# Altium PCB PCB1.PcbDoc (part 3 of 3)
Units mil, origin at the board's own origin, x right, y up, seen from the top; angles counter-clockwise.
Board outline 3937.01 x 2755.91 mil, 2 copper layers (Top Layer, Bottom Layer); 150 components, 153 nets, 622 pads, 556 vias.
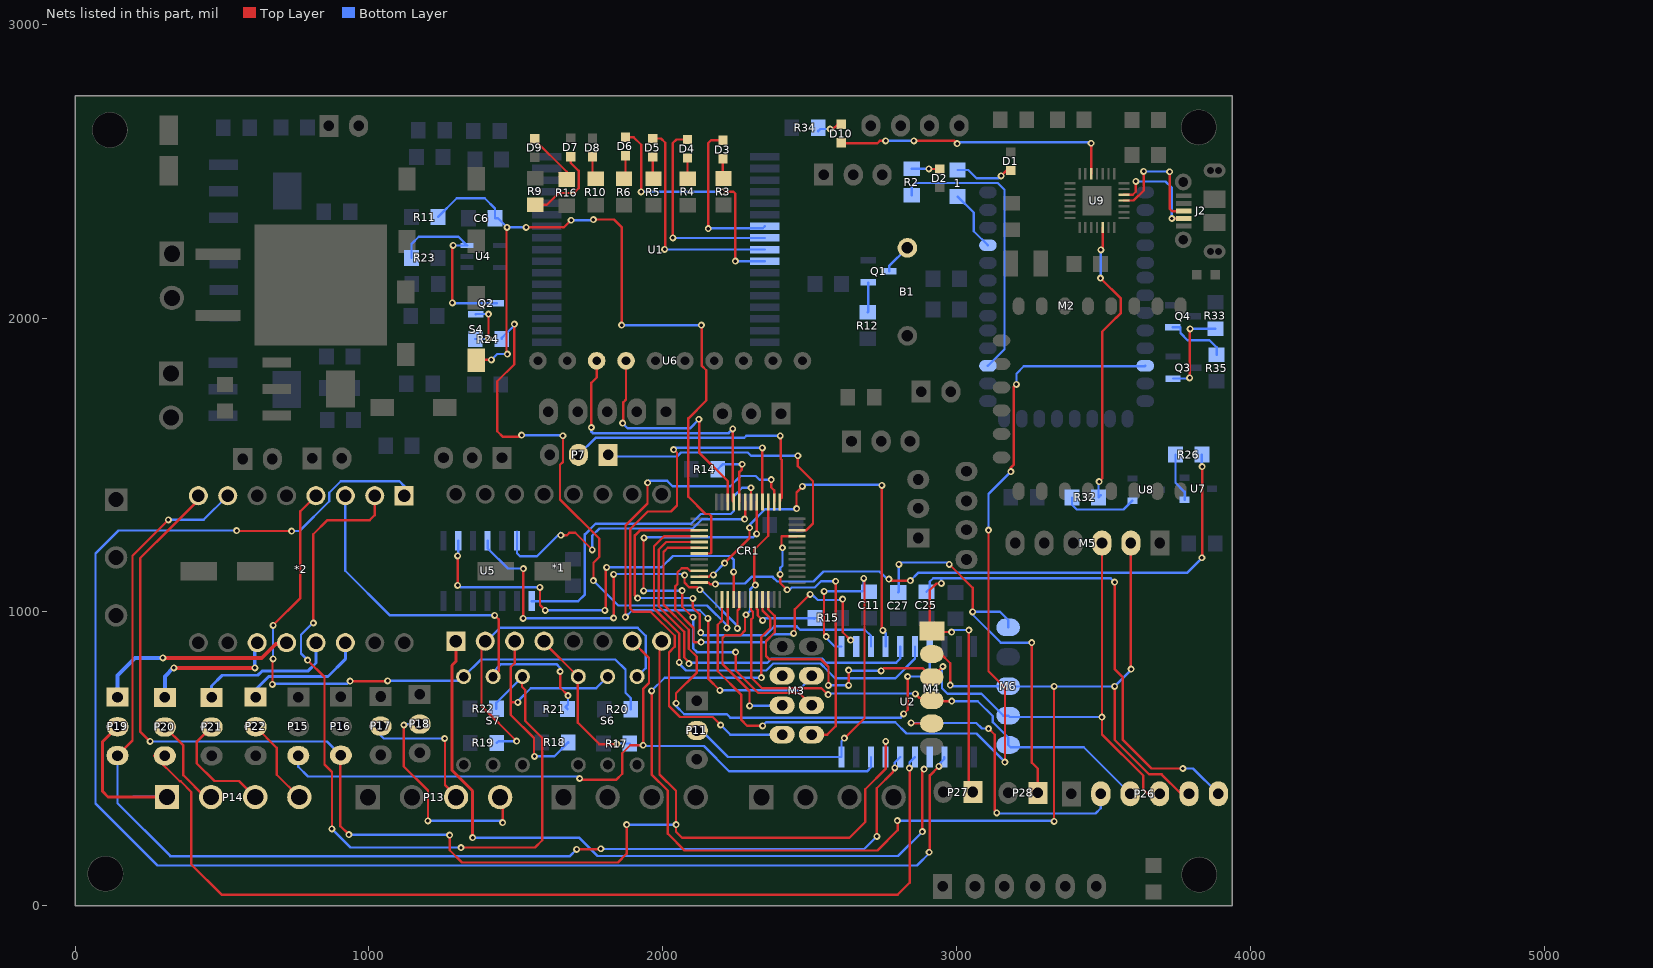
[diagram p3: the nets of this part, all layers, seen from the top]

## Via types
v1: diameter 23.62, hole 11.81, Top Layer to Bottom Layer, tented both sides, 529 vias
v2: diameter 23.62, hole 11.81, Top Layer to Bottom Layer, 27 vias

## Nets (pads, with @x,y where several pads share a name; then routed paths per layer and width w, separated by ;. In a path a pad name is that pad's centre, name@x,y a point inside that pad or via, vN(x,y) a via of type N, cw(c..) or ccw(c..) an arc to the next point about the centre after c; other vN are vias at no path point) (continued)
MTR1_C3: P13.3 P17.2 | length 477.7
  Top Layer w8: v1@1258.5,569.5 1258.5,411.5 1296.16,373.84 P13.3@1296.16,369.98
  Bottom Layer w8: P17.2@1039.5,619.5 P17.2@1039.5,611.5 1039.5,580.5 1050.5,569.5 v1@1258.5,569.5
  other v1: 1257.5,569.5
MTR1_C4: P13.4 P18.2 | length 761.6
  Top Layer w8: v1(1118.5,615.5) 1118.5,474.48 1200.49,392.49 v1(1200.49,289.51) ; P13.4@1446.16,369.98 1454.5,361.64 v1(1454.5,283.5)
  Bottom Layer w8: v1(1118.5,615.5) 1121.5,618.5 P18.2@1172.5,618.5 ; v1(1200.49,289.51) 1448.49,289.51 v1(1454.5,283.5)
MTR1_DIR: *1.1 *2.1 P16.3 U2.17 | length 4890.9
  Top Layer w8: v2(255.5,559.5) 221.5,593.5 221.5,1182.5 327.69,1288.69 327.78,1288.69 419.5,1380.41 *2.1@419.5,1395.5 *2.1@418.5,1396.5 ; P16.3@902.5,512.5 902.5,271.5 v1(931.5,242.5) ; v2(1274.5,241) 1274.5,189.19 1316,147.69 1846.69,147.69 1876.5,177.5 v1(1876.5,276.5) ; *1.1@1995.5,900.5 1988.5,893.5 1988.5,447.5 2044.5,391.5 v1(2044.5,276.5) 2044.5,252.5 2065.5,231.5 2566,231.5 2566.08,231.58 2634.08,231.58 2688.08,285.58 2688.08,396.58 2758.5,467 2758.5,559 v2(2758,559.5)
  Bottom Layer w8: v2(255.5,559.5) 857.5,559.5 P16.3@904.5,512.5 ; v1@936.31,237.69 v1(931.5,242.5) 1273,242.5 v2(1274.5,241) ; v1(1876.5,276.5) v1(2044.5,276.5) ; U2.17@2757.5,506.5 v2@2757.5,559.5 ; v2@2757.5,560 v2@2757.5,560.5 ; v2(2758,559.5) v2@2758,560
MTR1_ENB: *1.8 U2.14 | length 2512.2
  Top Layer w8: v1(2882.5,252.5) 2882.5,461.5 2888.5,467.5 v1(2888.5,465.5)
  Top Layer w10: *1.8@1295.5,900.5 1295.5,831.5 1282.5,818.5 1282.5,461.5 1352.5,391.5 v1(1352.5,232.5)
  Bottom Layer w8: v1(1352.5,232.5) 1714.5,232.5 1777.31,169.69 2799.69,169.69 v1(2882.5,252.5)
MTR1_PWM: *1.2 P15.3 U2.18 | length 2573
  Top Layer w8: v1(1716.5,433.5) 1716.5,438.5 1717.5,439.5 1727.31,429.69 1841.69,429.69 1861.5,449.5 1861.5,519.5 1888.5,546.5 v1(1932.5,546.5) 1932.5,737.76 1951.24,756.5 1951.5,756.5 1952.5,757.5 1952.5,843.5 *1.2@1895.5,900.5
  Bottom Layer w8: P15.3@759.5,519.5 P15.3@759.5,511.5 759.5,473.5 792.5,440.5 1709.5,440.5 v1(1716.5,433.5) ; v1(1932.5,546.5) 1935,544 2139.35,544 2225.66,457.69 2693.69,457.69 2707.5,471.5 U2.18@2707.5,506.5
MTR2_A1: *2.13 P19.1 | length 696.8
  Top Layer w13: v1(298.5,843.5) 635,843.5 682.84,891.34 719.5,891.34 *2.13@719.5,895.5
  Bottom Layer w13: P19.1@144.5,710.5 144.5,783.5 204.5,843.5 v1(298.5,843.5)
MTR2_A2: *2.14 P20.1 | length 477.7
  Top Layer w13: v1(336.5,809.5) v1(611.5,809.5)
  Bottom Layer w13: P20.1@305.5,709.5 305.5,780.5 v1@335.5,810.5 ; v1(611.5,809.5) 611.5,887.5 *2.14@619.5,895.5
MTR2_B1: *2.12 P21.1 | length 495.3
  Bottom Layer w10: P21.1@464.5,709.5 464.5,748.5 500.69,784.69 621.78,784.69 635.78,798.69 791.69,798.69 819.5,826.5 *2.12@819.5,895.5
MTR2_B2: *2.11 P22.1 | length 424.5
  Bottom Layer w10: P22.1@614.5,715.5 614.5,736.17 658.83,780.5 860.5,780.5 919.5,839.5 *2.11@919.5,895.5
MTR2_C1: P14.1 P19.2 | length 583.8
  Top Layer w10: P19.2@144.5,609.5 94,559 94,389 112.5,370.5 P14.1@313,370.5
  Bottom Layer w8: 197,371 312,371 P14.1@312.5,370.5
MTR2_C2: P14.2 P20.2 | length 314.7
  Top Layer w8: P20.2@305.5,608.5 368.5,545.5 368.5,444.5 442.5,370.5 P14.2@462.5,370.5
MTR2_C3: P14.3 P21.2 | length 390.8
  Top Layer w8: P21.2@464.5,608.5 413.5,557.5 413.5,485.5 474.16,424.84 558.16,424.84 P14.3@612.5,370.5
MTR2_C4: P14.4 P22.2 | length 300.3
  Top Layer w8: P22.2@614.5,609.5 686.5,537.5 686.5,446.5 P14.4@762.5,370.5
MTR2_DIR: P20.3 U2.15 | length 3397.9
  Top Layer w8: P20.3@305.5,510.5 269.5,510.5 356.16,423.84 359.31,423.84 395.5,387.65 395.5,141 498,38.5 2798.5,38.5 2839.08,79.08 2839.08,467.92 v1(2838.5,468.5)
  Bottom Layer w8: v1(2838.5,468.5) 2838.5,487.5 U2.15@2857.5,506.5
MTR2_ENB: *2.8 U2.13 | length 5356
  Top Layer w8: v1(549.96,1277.01) 551.78,1275.19 v1(736.94,1275.19) ; v1(2905.5,182.5) 2908,185 2908,444 v1(2938.5,474.5)
  Bottom Layer w8: 311.07,137.5 1696.75,137.5 ; 311.04,137.53 280.47,137.53 69.5,348.5 69.5,1198.5 148.01,1277.01 v1(549.96,1277.01) ; v1(736.94,1275.19) 763.51,1275.19 864.98,1376.66 864.98,1405.58 904.09,1444.69 1103.81,1444.69 1119.5,1429 *2.8@1119.5,1395.5 ; 1696.79,137.53 2864.53,137.53 2909.5,182.5 v1(2905.5,182.5) ; v1(2938.5,474.5) 2938.5,481.5 2957.5,500.5 U2.13@2957.5,506.5
MTR2_PWM: *2.2 P19.3 U2.16 | length 4263.1
  Top Layer w8: P19.3@144.5,511.5 195.5,562.5 195.5,1191.5 v1(317.5,1313.5) ; v1(1706.5,192.5) 1786.5,192.5 v1(1788.5,194.5) ; v1(2727.5,236.5) 2727.5,400.5 2782.5,455.5 2782.5,469.5 v1(2788.5,469.5)
  Bottom Layer w8: P19.3@144.5,511.5 144.5,349.33 324.33,169.5 1683.5,169.5 v1(1706.5,192.5) ; v1(317.5,1313.5) 437.5,1313.5 *2.2@519.5,1395.5 ; v1@1789.5,193.5 2684.5,193.5 v1(2727.5,236.5) ; v1(2788.5,469.5) 2788.5,487.5 U2.16@2807.5,506.5
Net1_1: 1.1 M2.31 | length 208.8
  Bottom Layer w8: 1.1@3002.5,2413.5 3057.5,2358.5 3057.5,2295.39 M2.31@3105.5,2247.39
Net1_2: 1.2 D1.1 | length 203.5
  Top Layer w8: v1(3150.5,2483.5) 3168.51,2501.51 D1.1@3183.5,2501.51
  Bottom Layer w8: 1.2@3002.5,2503.5 3038.5,2503.5 3066.61,2475.39 3142.39,2475.39 v1(3150.5,2483.5)
Net*1_5: *1.5 R17.1 S6.6 | length 540.1
  Top Layer w8: *1.5@1595.5,900.5 1595.5,896.29 1711.96,779.82 1710.5,778.36 1710.5,623.45 1783.45,550.5 v1(1843.5,550.5)
  Bottom Layer w8: S6.6@1707.64,775.5 S6.6@1711.96,779.82 ; v1(1843.5,550.5) 1845.5,552.5 R17.1@1887.5,552.5
Net*1_6: *1.6 R18.1 S6.5 | length 933.5
  Top Layer w8: *1.6@1495.5,900.5 1495.5,825.5 1482.5,812.5 1482.5,691.5 ; v1(1506.5,692.5) 1483.5,692.5 1482.5,691.5 ; v1(1563,509) 1561.5,510.5 1561.5,570.87 1482.5,649.87 1482.5,691.5
  Bottom Layer w8: v1(1506.5,692.5) 1506.5,696.75 1550.25,740.5 1772.64,740.5 S6.5@1811.96,779.82 ; v1(1563,509) 1631,509 1677.5,555.5 R18.1@1677.5,556.5
Net*1_7: *1.7 R19.1 S6.4 | length 1192.9
  Top Layer w8: *1.7@1395.5,900.5 1382.5,887.5 1382.5,680.5 v1(1502.5,560.5)
  Bottom Layer w8: *1.7@1395.5,900.5 1400.04,900.5 1446.04,946.5 1913.82,946.5 1940.98,919.34 1940.98,808.84 S6.4@1911.96,779.82 ; R19.1@1434.5,554.5 1440.5,560.5 v1(1502.5,560.5)
Net*2_5: *2.5 R20.1 S7.6 | length 2100.4
  Top Layer w8: v1(671.5,753.5) 671.5,838.34 v1(673.66,840.5) ; v1(673.66,954.66) 766.69,1047.69 766.69,1342.69 *2.5@819.5,1395.5 ; v1(935.5,764.5) 1054.5,764.5 1058.5,760.5 v1(1063.5,765.5)
  Bottom Layer w8: v1(671.5,753.5) 674,756 927,756 v1(935.5,764.5) ; v1(673.66,840.5) 673.66,952.34 672.5,953.5 v1(673.66,954.66) ; v1(1063.5,765.5) 1307.68,765.5 S7.6@1322.01,779.82 1380.68,838.5 1838,838.5 1872.5,804 1872.5,725.5 1890.7,707.3 R20.1@1890.7,669.19
Net*2_6: *2.6 R21.1 S7.5 | length 1466.2
  Top Layer w8: S7.5@1422.01,779.82 1440.98,798.8 1440.98,975.02 v1(1427.5,988.5) ; v1(1650.5,797.5) 1650.5,742 v1(1677,715.5)
  Bottom Layer w8: *2.6@919.5,1395.5 919.5,1140 1070.19,989.31 1426.69,989.31 v1(1427.5,988.5) ; S7.5@1422.01,779.82 1422.01,795.01 1449.5,822.5 1637.5,822.5 1650.5,809.5 v1(1650.5,797.5) ; R21.1@1675.5,669.5 1668.5,676.5 1677,685 v1(1677,715.5)
Net*2_7: *2.7 R22.1 S7.4 | length 2865.2
  Top Layer w8: v1(791.5,836.5) 791.5,835.36 848.5,778.36 848.5,481.5 874.02,455.98 v1(874.02,262.02) ; v1(810.5,962.5) 810.5,1264.5 858.5,1312.5 1002.59,1312.5 1019.5,1329.41 *2.7@1019.5,1395.5 ; v1(1313,198.5) 1564.5,198.5 1589.5,223.5 1589.5,571.5 1531.5,629.5 1531.5,734.5 1520.5,745.5 1520.5,778.32 S7.4@1522.01,779.82 S7.4@1531.5,770.33
  Bottom Layer w8: v1(791.5,836.5) 790.36,836.5 768.5,858.36 768.5,922.5 808.5,962.5 v1(810.5,962.5) ; v1@873.5,261.5 v1(874.02,262.02) 937.5,198.5 v1(1313,198.5) ; R22.1@1433.5,670.5 1433.5,691.32 S7.4@1522.01,779.82
NetB1_2: B1.2 Q1.3 | length 106.5
  Bottom Layer w8: Q1.3@2768.86,2158.5 2769.5,2158.5 2769.5,2176.71 B1.2@2831.5,2238.71
NetC25_2: C25.2 M4.1 P26.6 P27.1 | length 2524.4
  Top Layer w8: v2(2947,1097) 2930.24,1097 2907.15,1073.91 2907.15,943.07 M4.1@2914.5,935.72 2918.53,931.69 v1(2982.33,931.69) ; v1(3040.5,938.5) 3040.5,401.5 P27.1@3054.5,387.5 ; v1(3536.5,1101.5) 3536.5,805.5 3564.5,777.5 3564.5,564.5 3661.5,467.5 v1(3768.5,467.5)
  Bottom Layer w8: C25.2@2896.5,1068.5 2907.15,1079.15 2907.15,1102.65 2919.5,1115 2948,1115 ; v2(2947,1097) 2947,1114 2948,1115 ; v1(2982.33,931.69) 2989.14,938.5 v1(3040.5,938.5) ; v1(3536.5,1101.5) 3523,1115 2948,1115 ; v1(3768.5,467.5) 3803.5,467.5 P26.6@3889.5,381.5
NetC27_2: C27.2 M6.1 P28.1 | length 1386.8
  Top Layer w8: v1(2974,1162) 3053.5,1082.5 v1(3053.5,1000.5) ; v1(3254.5,895.5) 3254.5,487.5 3275.5,466.5 P28.1@3275.5,384.5
  Bottom Layer w8: C27.2@2800.5,1066.5 2802.74,1068.74 v1(2802.74,1162) 2809.05,1168.31 2967.69,1168.31 v1(2974,1162) ; v1@3052.5,992.5 3149.5,895.5 v1(3254.5,895.5) ; v1(3053.5,1000.5) 3146.5,1000.5 3174.5,972.5 M6.1@3174.5,947.5
NetCR1_3: CR1.3 U2.3 | length 1409.8
  Top Layer w8: v1(1913.69,1047.31) 1904.5,1056.5 1904.5,1260.5 1921.4,1277.4 CR1.3@2123.5,1277.4 ; v1(2101.5,1046.5) 2101.5,1015.66 2125.31,991.84 2125.31,923.31 2128.5,926.5 v1(2128.5,929.5)
  Bottom Layer w8: v1@1920.69,1047.31 2100.69,1047.31 v1(2101.5,1046.5) ; v1(2128.5,929.5) 2136.69,921.31 2139.36,921.31 2139.98,920.69 2348.66,920.69 2378.89,950.91 2454.76,950.91 2466.17,939.5 2544.83,939.5 2545.14,939.81 2686.69,939.81 2707.5,919 U2.3@2707.5,882.5
NetCR1_4: CR1.4 U2.6 | length 1521.1
  Top Layer w8: v1(2055.5,828.5) 2055.98,828.98 2055.98,925.95 1969.69,1012.24 1969.69,1223.69 2003.71,1257.71 CR1.4@2123.5,1257.71
  Bottom Layer w8: v1(2055.5,828.5) 2050.83,828.5 2078.64,800.69 2351.29,800.69 2375.1,824.5 2535.9,824.5 2560.5,799.9 2585.71,774.69 2790.69,774.69 2857.5,841.5 U2.6@2857.5,882.5
NetCR1_5: CR1.5 U2.5 | length 1357
  Top Layer w8: v1(2088.5,824.5) 2088.5,829.17 2071.98,845.69 2071.98,932.57 1985.69,1018.86 1985.69,1212.69 2011.03,1238.03 CR1.5@2123.5,1238.03
  Bottom Layer w8: v1(2088.5,824.5) 2091.31,827.31 2355.29,827.31 2368.48,840.5 2542.52,840.5 2555.71,827.31 2793.31,827.31 2807.5,841.5 U2.5@2807.5,882.5
NetCR1_6: CR1.6 U2.7 | length 1819.5
  Top Layer w8: v1(2044.5,689.5) 2044.5,723.5 2115.5,794.5 2115.5,847.5 2087.98,875.02 2087.98,939.2 2001.69,1025.49 2001.69,1203.69 2016.34,1218.34 CR1.6@2123.5,1218.34 ; v1(2818.5,653.5) 2832.5,667.5 v1(2832.5,780.5)
  Bottom Layer w8: v1(2044.5,689.5) 2044.5,680.12 2072.62,652 2217.74,652 2229.24,640.5 2808.5,640.5 2818.5,650.5 v1(2818.5,653.5) ; v1(2832.5,780.5) 2880.5,780.5 2907.5,807.5 U2.7@2907.5,882.5
NetCR1_10: CR1.10 U2.2 | length 1138.3
  Top Layer w8: CR1.10@2123.5,1139.6 2092.72,1139.6 2083.36,1148.95 2063.64,1148.95 2049.69,1135.01 2049.69,1095.02 2041.69,1087.02 2041.69,1008.12 2103.98,945.83 2103.98,900.02 2106.5,897.5 v1(2129.5,897.5) ; v1(2444.5,927.1) 2448.31,930.91 2448.31,1008.69 v1@2503.31,1063.69 ; v1(2611.5,1043.5) 2611.5,931 2638,904.5 v1(2638.5,904.5)
  Bottom Layer w8: v1(2129.5,897.5) 2348.1,897.5 2375.1,924.5 2435.9,924.5 2438.9,921.5 v1(2444.5,927.1) ; v1(2500.5,1059.5) 2507.5,1059.5 2526.31,1040.69 2608.69,1040.69 v1(2611.5,1043.5) v1@2611.5,1046.5
NetCR1_11: CR1.11 U2.4 | length 1366.6
  Top Layer w8: CR1.11@2123.5,1119.92 2155.51,1119.92 2165.23,1129.64 2168.41,1126.46 v1(2171.88,1126.46) ; v1(2209.5,1166.5) 2294.5,1251.5 v1(2294.5,1286.5) ; v1(2454.5,1351.5) 2454.09,1351.91 2454.09,1406.91 v1(2474.5,1427.32) ; v1(2744.5,1430.5) 2744.5,941.5 v1(2748.5,937.5)
  Bottom Layer w8: v1(2171.88,1126.46) 2172.5,1127.09 2172.5,1129.5 v1(2209.5,1166.5) ; v1@2297.5,1286.5 2297.5,1299.31 2347.5,1349.31 2452.31,1349.31 v1(2454.5,1351.5) ; v1(2474.5,1427.32) 2479.49,1432.31 2742.69,1432.31 v1(2744.5,1430.5) ; v1(2748.5,937.5) 2757.5,928.5 U2.4@2757.5,882.5
NetCR1_12: CR1.12 R26.1 | length 2158.4
  Top Layer w8: CR1.12@2123.5,1100.23 2154.5,1100.23 2160.23,1094.5 v1(2178.5,1094.5) ; v1(2768.5,1111.5) 2768.5,1108.5 2770.5,1106.5 v1(2841.5,1106.5) ; v1(3833.5,1184.5) 3834.5,1185.5 v1(3834.5,1494.5)
  Bottom Layer w8: v1(2178.5,1094.5) 2173.88,1094.5 2171.69,1096.69 2278.99,1096.69 2301.61,1119.31 2373.02,1119.31 2388.64,1103.69 2512.36,1103.69 2546.48,1137.81 2737.19,1137.81 v1@2768.5,1106.5 ; v1(2841.5,1106.5) 2868,1133 3783,1133 3833.5,1183.5 v1(3833.5,1184.5) ; R26.1@3833.5,1535.5 3833.5,1495.5 v1(3834.5,1494.5)
NetCR1_14: CR1.14 M2.11 | length 3247.8
  Top Layer w8: CR1.14@2200.92,1042.5 2200.92,970.62 2186.59,956.29 2186.59,798.04 2266.69,717.94 2266.69,632.47 2286.66,612.5 v1(2338.71,612.5) ; v1(3107.5,1278.5) 3107.5,798.5 3163.5,742.5 v1(3163.5,489.5) ; v1(3183.5,1477.5) 3183.5,1491.65 3193.8,1501.95 3193.8,1765.8 v1(3202.5,1774.5)
  Bottom Layer w8: v1(2338.71,612.5) 2350.71,624.5 2790.5,624.5 2828.69,586.31 3066.29,586.31 3163.1,489.5 v1(3163.5,489.5) ; v1(3107.5,1278.5) 3107.5,1401.5 v1(3183.5,1477.5) ; v1(3202.5,1774.5) 3202.69,1774.69 3202.69,1810.69 3227.69,1835.69 3638.8,1835.69 M2.11@3640.5,1837.39
NetCR1_15: CR1.15 R24.2 | length 1880.1
  Top Layer w8: v2(1494.5,1979) 1494.5,1842.58 1436.5,1784.58 1436.5,1614.83 1455.83,1595.5 1520,1595.5 1519.5,1596 v1(1519.5,1601.5) ; v1(1659.5,1599.5) 1660,1599 1660,1510.65 1650.02,1500.67 1650.02,1383.08 1783.31,1249.78 1783.31,1186.8 1763.69,1167.17 1763.69,1106.69 v1(1763.5,1106.5) ; v1(2217.5,945.5) 2220.6,948.6 CR1.15@2220.6,1042.5
  Bottom Layer w8: R24.2@1451.5,1928.5 1451.5,1932.5 1494.5,1975.5 v2(1494.5,1979) ; v1(1519.5,1601.5) 1657.5,1601.5 v1(1659.5,1599.5) ; v1(1763.5,1106.5) 1848.21,1021.79 2150.21,1021.79 2217.5,954.5 v1(2217.5,945.5)
NetCR1_16: CR1.16 U5.2 | length 1469
  Top Layer w8: v1(1301.47,1090.31) v1(1301.5,1190.5) ; v1(1581.5,1083.5) 1581.5,1023.5 v1(1599.5,1005.5) ; v1(1802.5,1005.5) 1805.69,1008.69 1805.69,1149.19 v1(1808.5,1152) ; CR1.16@2240.29,1042.5 2240.29,1136.29 v1(2240.5,1136.5)
  Bottom Layer w8: v1(1301.47,1090.31) v1@1301.47,1095.47 ; v1@1301.5,1095.5 1313.5,1083.5 v1(1581.5,1083.5) ; v1(1301.5,1190.5) 1303.5,1192.5 U5.2@1303.5,1242 ; v1(1599.5,1005.5) v1(1802.5,1005.5) ; v1(1808.5,1152) 1995.56,1152 2033.87,1190.31 2228.69,1190.31 2240.5,1178.5 v1(2240.5,1136.5)
NetCR1_17: CR1.17 U5.4 | length 1415
  Top Layer w8: v1(1524.5,978.5) 1524.5,1147.27 v1(1524.87,1147.64) ; v1@1831.98,981.98 1832.5,982.5 v1(1832.5,1128) ; v1(2073.5,1125.14) 2073.5,1099.76 2089.53,1083.73 2117.27,1083.73 v1(2125.5,1075.5) ; v1(2253.5,944.5) 2253.5,1005.24 2259.97,1011.71 CR1.17@2259.97,1042.5
  Bottom Layer w8: U5.4@1403.5,1242 1403.5,1216.87 1472.73,1147.64 v1(1524.87,1147.64) ; v1@1519.5,978.5 v1(1524.5,978.5) 1827.5,978.5 v1@1830.98,981.98 ; v1@1839.5,1128.5 1840.31,1129.31 2071,1129.31 2073.5,1126.81 v1@2073.5,1125.64 ; v1(2125.5,1075.5) 2130.17,1075.5 2253.5,952.17 v1(2253.5,944.5)
  other v1: 1831.98,979.48
NetCR1_20: CR1.20 R15.1 | length 264.5
  Top Layer w8: CR1.20@2319.03,1042.5 2319.03,1010.27 2322.31,1006.99 2322.31,987.9 v1(2338.71,971.5)
  Bottom Layer w8: v1(2338.71,971.5) 2338.71,974.29 2342.92,978.5 2426.17,978.5 2512.5,978.5 2514.5,976.5 R15.1@2517.5,979.5
NetCR1_33: CR1.33 M3.8 | length 1015.9
  Top Layer w8: v1(2398.5,1127.5) 2398.5,1099.5 v1(2422.5,1075.5) ; v1(2406.69,1218.51) 2403.5,1221.7 2403.5,1257.71 CR1.33@2455.5,1257.71 ; M3.8@2505.5,582.5 2558.5,582.5 2587.5,611.5 2587.5,1024.31 2587.31,1024.5 2587.31,1104.72 v1@2587.5,1104.91
  Bottom Layer w8: v1(2398.5,1127.5) 2398.5,1149.12 2406.69,1157.31 v1(2406.69,1218.51) ; v1(2422.5,1075.5) 2430.5,1075.5 2438.31,1083.31 2510.36,1083.31 2510.67,1083 2516.49,1083 2538.39,1104.91 v1@2589.5,1104.91
  other v1: 2587.5,1104.41
NetCR1_38: CR1.38 M3.4 | length 1919.8
  Top Layer w8: v1(1872.5,982.5) 1872.5,1294 1947.5,1369 v1(1947.5,1439.5) ; v1(2152.5,978.5) 2154.59,976.41 2154.59,772.41 v1(2193.5,733.5) ; v1(2368.5,1450) 2368.5,1423.5 2378.08,1413.92 CR1.38@2378.08,1374.5
  Bottom Layer w8: v1(1872.5,982.5) 1895.79,1005.79 2125.21,1005.79 v1(2152.5,978.5) ; v1(1947.5,1439.5) 1947.5,1441.46 1952.02,1445.98 2014.34,1445.98 2032.82,1427.5 2229.25,1427.5 2264.06,1462.31 2315.99,1462.31 2328.3,1450 v1(2368.5,1450) ; v1(2193.5,733.5) 2461.5,733.5 2508,780 M3.4@2505.5,782.5
NetCR1_39: CR1.39 M3.5 | length 950.2
  Top Layer w8: v1(2282.5,990.5) 2282.5,991.5 2279.2,991.5 2279.2,936.53 2263.36,920.69 2212.19,920.69 2202.59,911.09 2202.59,823.5 2294.5,731.58 v1(2294.5,680.5) ; v1(2314.5,1091.5) 2310.69,1091.5 2310.69,1211.44 2358.4,1259.15 CR1.39@2358.4,1374.5
  Bottom Layer w8: v1(2282.5,990.5) 2283.78,990.5 2296.5,1003.22 2296.5,1076.5 2311.5,1091.5 v1(2314.5,1091.5) ; v1(2294.5,680.5) 2403.5,680.5 M3.5@2405.5,682.5
NetCR1_40: CR1.40 M3.7 | length 2010.3
  Top Layer w8: v1@2038.6,1552.5 v1(2036.5,1552.5) 2047.54,1541.46 2047.54,1362.04 2027.5,1342 1948.5,1342 1888.5,1282 1888.5,1011.71 1899.85,1000.36 1958.54,1000.36 2039.98,918.92 2039.98,882.08 2020.42,862.52 2020.42,679.91 2057.83,642.5 2169.5,642.5 v1(2196.5,615.5) ; v1(2338.31,1558.31) 2338.31,1374.9 CR1.40@2338.71,1374.5
  Bottom Layer w8: v1(2036.5,1552.5) 2042.31,1558.31 v1(2338.31,1558.31) ; v1(2196.5,615.5) 2229.5,582.5 M3.7@2405.5,582.5
NetCR1_41: CR1.41 M3.6 | length 1544.6
  Top Layer w8: v1(1934,1072) 1934,1250.5 v1(1935.5,1252) ; v2(2065.5,1072.5) 2065.5,1017.98 v1(2101.5,981.98) ; v1(2247.5,863.5) 2247.5,801.36 2324.36,724.5 2463.5,724.5 M3.6@2505.5,682.5 ; v1(2318.5,1265.5) 2318.5,1264.36 2319.03,1263.83 CR1.41@2319.03,1374.5
  Bottom Layer w8: v1(1934,1072) 1934.5,1072.5 v2(2065.5,1072.5) ; v1(1935.5,1252) 1937.81,1254.31 2307.31,1254.31 v1(2318.5,1265.5) ; v1(2101.5,981.98) 2102.5,980.98 2102.5,876.5 2115.5,863.5 v1(2247.5,863.5)
NetCR1_42: CR1.42 U5.8 | length 1103.4
  Top Layer w8: CR1.42@2299.34,1374.5 2299.5,1374.66 v1(2299.5,1422.5)
  Bottom Layer w8: U5.8@1553.5,1037 1663,1037 1663.5,1036.5 1711.38,1036.5 1734.5,1059.62 1734.5,1263.87 1770.63,1300 2095,1300 2128.31,1333.31 2230.78,1333.31 2241.5,1344.03 2241.5,1394.5 2269.5,1422.5 v1(2299.5,1422.5)
NetCR1_43: CR1.43 U5.6 | length 1050.8
  Top Layer w8: v1(1653,1261) 1673.33,1261 1681.64,1269.31 1701.31,1269.31 1701.5,1269.5 v1(1759.5,1211.5) ; v1(2277.5,1315.5) 2279.66,1317.66 CR1.43@2279.66,1374.5
  Bottom Layer w8: U5.6@1503.5,1272.5 U5.6@1503.5,1242 1503.5,1199.5 1513.5,1189.5 1571.5,1189.5 1651.5,1269.5 1653,1268 v1(1653,1261) ; v1(1759.5,1211.5) 1759.5,1259.87 1783.63,1284 2101.63,1284 2133.13,1315.5 v1(2277.5,1315.5)
NetCR1_44: CR1.44 R14.1 | length 223.4
  Top Layer w8: CR1.44@2259.97,1374.5 2259.97,1476.47 2268.5,1485 2268.5,1502.5 v1(2269.5,1502.5)
  Bottom Layer w8: R14.1@2186.5,1485.5 2204.5,1503.5 2205.5,1502.5 v1(2269.5,1502.5)
NetCR1_45: CR1.45 U6.3 | length 986.6
  Top Layer w8: v1(1756.5,1627.5) 1756.5,1779.5 1774.5,1797.5 U6.3@1774.5,1854.5 ; v1(2237.5,1622.5) 2237.5,1377.29 CR1.45@2240.29,1374.5
  Bottom Layer w8: v1(1756.5,1627.5) 1756.5,1613.5 1761.69,1608.31 2050.97,1608.31 2051.16,1608.5 2223.5,1608.5 v1(2237.5,1622.5)
NetCR1_46: CR1.46 U6.4 | length 835
  Top Layer w8: v1@1865,1642.5 1865,1712.85 1874.5,1722.35 U6.4@1874.5,1854.5 ; v1(2122.5,1655.5) 2122.5,1656.5 2123,1657 2123,1542.99 2220.6,1445.39 CR1.46@2220.6,1374.5
  Bottom Layer w8: v1(1862.5,1642.5) 1880.5,1624.5 2091.5,1624.5 v1(2122.5,1655.5) ; U6.4@1864.5,1844.5 U6.4@1874.5,1854.5
NetD2_1: D2.1 R2.2 | length 95.2
  Top Layer w8: v1(2904.5,2507.5) 2905,2507 D2.1@2941.5,2507
  Bottom Layer w8: R2.2@2846.5,2507.5 v1(2904.5,2507.5)
NetD3_1: D3.1 R3.1 | length 67.6
  Top Layer w8: D3.1@2204,2541.51 2204,2476 R3.1@2205.5,2474.5
NetD3_2: D3.2 U1.7 | length 555.2
  Top Layer w8: v1(2154,2304) 2154,2594 2153.5,2594.5 2163.5,2604.5 D3.2@2204,2604.5
  Bottom Layer w8: v1(2154,2304) v1@2154,2305.19 ; U1.7@2346.23,2311.72 2339.7,2305.19 v1@2154,2305.19 ; v1@2154,2305.19 2154,2309.22 2149.97,2305.19 v1@2154,2305.19
NetD4_1: D4.1 R4.1 | length 71.1
  Top Layer w8: D4.1@2083.5,2544.51 2083.5,2474.8 R4.1@2084.5,2473.8
NetD4_2: D4.2 U1.8 | length 690.6
  Top Layer w8: v1(2033.5,2272.35) 2033.5,2595 2046,2607.5 D4.2@2083.5,2607.5
  Bottom Layer w8: v1(2033.5,2272.35) U1.8@2346.23,2272.35
NetD5_1: D5.1 R5.1 | length 75
  Top Layer w8: D5.1@1965.5,2547.63 1965.5,2475.5 R5.1@1967.5,2473.5
NetD5_2: D5.2 U1.9 | length 753
  Top Layer w8: D5.2@1965.5,2610.63 1993.37,2610.63 2008,2596 2008,2236 v1(2005.5,2233.5)
  Bottom Layer w8: v1(2005.5,2233.5) 2006.02,2232.98 U1.9@2346.23,2232.98
NetD6_1: D6.1 R6.2 | length 80.6
  Top Layer w8: R6.2@1867.5,2473.5 1872.5,2478.5 D6.1@1872.5,2552
NetD6_2: D6.2 U1.10 | length 879.5
  Top Layer w8: D6.2@1872.5,2615 1900.26,2615 1926,2589.25 v1(1926,2429) ; v1(2201.5,2429.5) 2239.5,2429.5 2246.5,2422.5 v1(2246.5,2193.61)
  Bottom Layer w8: v1(1926,2429) 1929.5,2425.5 1933.5,2429.5 v1(2201.5,2429.5) ; v1(2246.5,2193.61) U1.10@2346.23,2193.61
NetD7_1: D7.1 R9.1 | length 289.4
  Top Layer w8: R9.1@1565.5,2385.5 1605.62,2385.5 1645.62,2425.5 1697.38,2425.5 1713,2441.12 1713,2501 1686.5,2527.5 D7.1@1686.5,2549
NetD8_1: D8.1 R10.1 | length 79.3
  Top Layer w8: D8.1@1760.5,2548.27 1760.5,2484.5 R10.1@1771.5,2473.5
NetD9_2: D9.2 R16.2 | length 183.6
  Top Layer w8: D9.2@1563.5,2610 1563.5,2606.5 1672.5,2497.5 R16.2@1672.5,2471.5
NetD10_1: D10.1 U9.12 | length 966.3
  Top Layer w8: D10.1@2606.5,2596 2607.82,2594.69 2729.69,2594.69 2737.5,2602.5 v1(2757.5,2602.5) ; v1(2853.5,2602.5) 2991.5,2602.5 v1(3000.5,2593.5) ; v1(3456.5,2594.5) 3456.5,2491.31 U9.12@3456.81,2491
  Bottom Layer w8: v1(2757.5,2602.5) v1(2853.5,2602.5) ; v1@3000.5,2595.5 3002.31,2597.31 3457.07,2597.31 3454.5,2594.74 v1@3454.5,2594.5
NetD10_2: D10.2 R34.2 | length 89.1
  Top Layer w8: v1(2569,2643) 2579,2643 2595,2659 D10.2@2606.5,2659
  Bottom Layer w8: R34.2@2527.5,2636.5 2528.5,2635.5 2536,2643 v1(2569,2643)
NetM2_24: M2.24 R2.1 | length 980.1
  Bottom Layer w8: R2.1@2846.5,2417.5 2846.5,2444.5 2861.39,2459.39 3138.61,2459.39 3161.69,2436.31 3161.69,1893.58 M2.24@3105.5,1837.39
NetM3_3: M3.3
NetQ1_1: Q1.1 R12.2 | length 102.2
  Bottom Layer w8: R12.2@2696.5,2019.5 2698.29,2021.29 Q1.1@2698.29,2121
NetQ2_1: Q2.1 R24.1 | length 172.8
  Top Layer w8: v1(1406.5,1929.5) v1(1406.5,2013.5)
  Bottom Layer w8: R24.1@1361.5,1928.5 1405.5,1928.5 v1(1406.5,1929.5) ; Q2.1@1363.5,2012.5 1364.5,2013.5 v1(1406.5,2013.5)
NetQ2_3: Q2.3 R23.1 U4.3 | length 654.3
  Top Layer w8: v1(1283.5,2051.5) 1283.5,2244.5 v1(1285.9,2246.9)
  Bottom Layer w8: R23.1@1144.5,2204.5 1144.5,2251.5 1169.5,2276.5 1304.15,2276.5 U4.3@1333.75,2246.9 v1(1285.9,2246.9) ; v1(1283.5,2051.5) 1285,2050 Q2.3@1434.07,2050
NetQ3_1: Q3.1 R33.2 | length 314.3
  Top Layer w8: v1(3791.5,1796.5) 3791.5,1961 v1(3793.5,1963) v1@3797,1963
  Bottom Layer w8: Q3.1@3735.29,1794 3789,1794 v1(3791.5,1796.5) ; v1(3793.5,1963) 3794,1963.5 R33.2@3879.5,1963.5
NetQ4_1: Q4.1 R35.1 | length 215.6
  Bottom Layer w8: Q4.1@3734.29,1969 3760.5,1969 3760.5,1948.5 3784.5,1924.5 3859.5,1924.5 3883.5,1900.5 R35.1@3883.5,1874.5
NetR26_2: R26.2 U7.1 | length 166.3
  Bottom Layer w8: R26.2@3743.5,1535.5 3743.5,1439.5 3774.5,1408.5 U7.1@3774.5,1382
NetR32_1: R32.1 U8.1 | length 250
  Bottom Layer w8: R32.1@3391.5,1389.5 3391.5,1365 3408,1348.5 3567,1348.5 U8.1@3597.5,1379
NetR32_2: R32.2 U9.26 | length 992.4
  Top Layer w8: v1(3483.5,1443.5) 3494.31,1454.31 3494.31,1953.98 3540.64,2000.31 3541.24,2000.31 3557.76,2016.83 3557.76,2066.24 v1(3488.5,2135.5) ; v1(3489.5,2231.5) 3490.5,2231.5 3496.18,2237.18 U9.26@3496.18,2308
  Bottom Layer w8: v1@3481.5,1442.5 R32.2@3481.5,1389.5 R32.2@3489.5,1397.5 ; v1(3488.5,2135.5) 3489.5,2136.5 v1(3489.5,2231.5)
NRST: C6.2 CR1.7 R11.1 S4.1 | length 2778.2
  Top Layer w8: S4.1@1368.29,1856.2 S4.1@1364.5,1856.2 1365.8,1857.5 v1(1416.5,1857.5) ; v1(1470.5,1877.5) 1467.69,1880.31 1467.69,2303.69 v1@1470.5,2306.5 ; v1(1534.5,2308.5) 1663.5,2308.5 v1(1687.5,2332.5) ; v1(1763.5,2335) 1763.81,2335.31 1833.32,2335.31 1859.5,2309.13 v1(1859.5,1975.5) ; CR1.7@2123.5,1198.66 2162.7,1198.66 2164.5,1200.45 2164.5,1326.24 2157.47,1333.27 2145.06,1333.27 2086.5,1391.83 2086.5,1658.5 2147.5,1719.5 2147.5,1822.1 2132.5,1837.1 2132.5,1975.5 v1(2130.5,1975.5)
  Bottom Layer w8: R11.1@1234.5,2343.5 1298.5,2407.5 1393.5,2407.5 1428.5,2372.5 C6.2@1428.5,2339.5 1438.5,2339.5 v1(1469.5,2308.5) v1(1534.5,2308.5) ; v1(1416.5,1857.5) 1436.5,1877.5 v1(1470.5,1877.5) ; v1(1687.5,2332.5) 1761,2332.5 v1(1763.5,2335) ; v1(1859.5,1975.5) v1(2130.5,1975.5)
RF_CS: M4.5 P26.2 | length 1051.5
  Top Layer w8: v1(2844.5,622.5) 2846.24,620.76 M4.5@2914.5,620.76 ; v1(3107.5,603.5) 3129,582 3129,323 v1(3135.5,316.5)
  Bottom Layer w8: v1(2844.5,622.5) 3065.85,622.5 3084.85,603.5 v1(3107.5,603.5) ; v1(3135.5,316.5) 3137.5,314.5 3471.5,314.5 3489.5,332.5 P26.2@3489.5,381.5
RF_RXD: CR1.21 M4.2 M5.2 M6.3 P26.5 | length 4792.9
  Top Layer w8: v1(1961.51,731.69) 1961.5,472.5 1961.5,447.03 2016.04,392.49 2016.04,245.96 2073.5,188.5 2729.5,188.5 2798.24,257.24 2798.24,289.44 v1(2797.5,290.18) ; v1(2334.5,776.5) 2334.5,914.5 2364.5,944.5 2364.5,979.39 2338.71,1005.17 CR1.21@2338.71,1042.5 ; M4.2@2914.5,856.98 2946.02,856.98 2977.31,825.69 v1(2977.31,751.27) ; v1(3330.5,287.5) v1(3330.5,746.5) ; v1(3536.5,746.5) 3536.5,565.5 3654.5,447.5 3696.43,447.5 3762.43,381.5 P26.5@3789.5,381.5 ; M5.2@3591.93,1234.5 3591.93,806.07 v1(3592.5,805.5)
  Bottom Layer w8: v1(1961.51,731.69) 2006.32,776.5 v1(2334.5,776.5) v1@2331.76,779.24 ; v1(2797.5,290.18) 3327.82,290.18 v1(3330.5,287.5) ; v1(2977.31,751.27) 2977.31,750.31 2974.5,747.5 M6.3@3174.5,747.5 3175.5,746.5 v1(3330.5,746.5) v1(3536.5,746.5) 3592.5,802.5 v1(3592.5,805.5)
RF_SET: CR1.19 M4.4 M6.5 P26.3 | length 1754.2
  Top Layer w8: CR1.19@2299.34,1042.5 2299.34,1007.33 2306.31,1000.36 2306.31,980.64 2300.55,974.88 2300.55,959.5 2300.69,959.36 2300.69,776.64 2336.83,740.5 2539.33,740.5 2561.33,718.5 v1(2562,718.5) ; v1(2858.5,721.5) 2872.5,707.5 2906.5,707.5 M4.4@2914.5,699.5 2917.5,696.5 v1(2982.5,696.5)
  Bottom Layer w8: v1@2562,717.5 2567,722.5 2857.5,722.5 v1(2858.5,721.5) ; v1(2982.5,696.5) 3071.17,696.5 3122.31,645.36 3122.31,624.78 3174.5,572.59 M6.5@3174.5,547.5 3182.5,539.5 3431.5,539.5 P26.3@3589.5,381.5
RF_TXD: CR1.22 M4.3 M5.3 M6.4 P26.4 | length 2606.2
  Top Layer w8: CR1.22@2358.4,1042.5 2358.4,1008.77 2380.5,986.67 2380.5,931.31 2350.5,901.31 2350.5,850 2361,839.5 2536.31,839.5 2563,812.81 v1(2563,750.5) ; v2@2631.5,747 v2(2631.5,750.5) v1(2631.5,802.5) ; v1(2742.5,799.5) 2751,808 2884.74,808 M4.3@2914.5,778.24 2916.24,778.24 v1(2952.5,814.5) ; M5.3@3493.5,1234.5 v1(3493.5,642.5) 3493.5,583.5 3634.5,442.5 3634.5,395.5 3648.5,381.5 P26.4@3689.5,381.5
  Bottom Layer w8: v1(2563,750.5) v2(2631.5,750.5) ; v1@2631.5,799.5 v1(2742.5,799.5) ; v1(2952.5,814.5) 2952.5,815.5 2949.5,818.5 2949.5,740.5 2968.5,721.5 3083.83,721.5 3157.83,647.5 M6.4@3174.5,647.5 3179.5,642.5 v1(3493.5,642.5)
SWCLK: CR1.37 P7.2 | length 939.7
  Top Layer w8: CR1.37@2398.5,1377.23 2398.5,1383.17 2404.5,1389.17 2404.5,1516.83 2400.69,1520.64 2400.69,1597.31 v1(2399,1599)
  Bottom Layer w8: P7.2@1712.5,1534.5 1770.31,1592.31 2057.6,1592.31 2057.79,1592.5 2276.87,1592.5 2283.37,1599 v1(2399,1599)
SWDIO: CR1.34 P7.1 | length 972.6
  Top Layer w8: CR1.34@2455.5,1277.4 2486.29,1277.4 2510.31,1301.42 2510.31,1444.69 2459,1496 v1(2459,1531.5)
  Bottom Layer w8: P7.1@1813.5,1530.5 1815.31,1528.69 1952.52,1528.69 1952.64,1528.81 1972.36,1528.81 1972.48,1528.69 2046.36,1528.69 2046.98,1529.31 2048.21,1529.31 2061.21,1542.31 2288.69,1542.31 2299.5,1531.5 v1(2459,1531.5)
USB_D_N: J2.2 U9.5 | length 361.1
  Top Layer w8: U9.5@3568,2419.18 3598.18,2419.18 3608.5,2429.5 v1(3608.5,2464.5) ; v1(3731.31,2338.5) 3727.85,2338.5 3727.67,2338.67 J2.2@3771.19,2338.67
  Bottom Layer w8: v1@3610.5,2464.5 3709.66,2464.5 3731.31,2442.85 v1(3731.31,2338.5)
USB_D_P: J2.3 U9.4 | length 412.6
  Top Layer w8: U9.4@3568,2399.5 3601.13,2399.5 3635.5,2433.87 v1(3635.5,2498.5) ; v1(3723.5,2497.5) 3723.5,2371.5 3731.5,2363.5 J2.3@3771.19,2363.5
  Bottom Layer w8: v1(3635.5,2498.5) 3718.5,2498.5 3719.5,2499.5 3721.5,2497.5 v1(3723.5,2497.5)
VCC_245: C11.2 P11.2 U2.1 U2.20 | length 1574.7
  Top Layer w8: v2(2548,1070) 2548,923.5 v1(2555.5,916) ; v1(2617.5,570.5) 2685.5,638.5 2685.5,1111.5 v1(2683,1114)
  Bottom Layer w8: P11.2@2115.5,596.5 2131.5,596.5 2221.5,506.5 U2.20@2607.5,506.5 2607.5,560.5 v1(2617.5,570.5) ; v2(2548,1070) 2683,1070 v1(2683,1114) ; v1(2555.5,916) 2555.5,911.5 2584.5,882.5 U2.1@2607.5,882.5
pads on no net: *1.15 *2.15 CR1.1 J2.4 J2.6 J2.7 J2.10 J2.11 J2.S_1 J2.S_1_H1 J2.S_1_H2 J2.S_2 J2.S_2_H1 J2.S_2_H2 M1.1 M1.6 M2.3 M2.4 M2.5 M2.6 M2.7 M2.8 M2.9 M2.10 M2.14 M2.15 M2.16 M2.17 M2.18 M2.19 M2.20 M2.23 M2.25 M2.27 M2.28 M2.29 M2.30 M2.32 M2.33 M5.4 M5.5 U1.4 U1.5 U1.6 U1.13 U1.14 U1.15 U1.16 U1.17 U1.21 U1.22 U2.8 U2.9 U2.11 U2.12 U4.4 U5.10 U5.11 U5.12 U5.13 U6.5 U6.6 U6.7 U6.8 U6.9 U6.10 U9.1 U9.2 U9.9 U9.10 U9.11 U9.13 U9.14 U9.15 U9.16 U9.17 U9.18 U9.19 U9.20 U9.21 U9.22 U9.23 U9.27

## Polygon pours and split planes (outlines as drawn)
no net on Top Layer "GND" (solid, shelved, pour order 32): 0,2755.5 0,0 3936,0 3936.5,0.5 3936.5,2525.67 3938,2527.17 3045,2525.67 3045,2755.81 3260,2755.5
no net on Bottom Layer "GND" (solid, shelved, pour order 34): 0,2755.5 0,0 0.5,-0.5 3938,-0.5 3936.5,1 3936.5,2528 2982.5,2528 2973.5,2537 2973.5,2755

## Keep-outs
Top Layer:
  region: 273,2318.5
Keep-Out Layer:
  lines w10: 0,1 0,2756 3937,2756 3937,1 0,1

## Other copper
Top Layer:
  region net GND: 564,2582.5 565.5,2582.83 565.5,2607.86 561.5,2609 413.5,2609 412,2605.25 412,2589.36 415,2582.5
  region net 12V: 320.34,2633.84 466.5,2537.81 466.5,2287 569,2233.5 569,2195 567,2193 411.59,2193 409,2197.07 409,2535.79 319.34,2590.56 316.5,2611
  region net GND: 311.74,2523 396,2523 400,2519 400,2472 396,2468 312.24,2468
  region net 12V: 153.5,2280 195.5,2322 195.5,2637 248.5,2690 349.5,2690 349.5,2588.08 276.5,2588.08 276.5,2388.5 385,2280
  region net 12V: 345,2278.5
  region net 12V: 660.5,2690.5 512.5,2690.5 288.5,2690.5 281.8,2672.9 282.16,2637.01 288.5,2619.5 660.5,2619.5 667.5,2630 667.5,2679.5
  region net GND: 559.56,1743.99 560.9,1809.69 553.44,1816.74 470.21,1816.74 463.36,1809.89 463.96,1809.28 463.96,1743.99 467.61,1740.35 553.75,1739.72
  region net 12V_STEP: 643.02,1356.18 630.53,1343.7 630.53,1292.32 635.56,1287.29 710.4,1287.29 717.14,1293.24 717.14,1339.93 712.63,1344.44 701.25,1355.82
  region net 12V_STEP: 712.98,1114.78 701.43,1099.92 550.05,1099.92 538.29,1114.78 538.29,1135.2 538.29,1187.48 549.11,1200.15 603.23,1200.15 630.04,1226.95 630.04,1243.87 653.78,1260.61 707.68,1260.61 712.98,1252.58
  region net 12V: 516.61,1606.51 516.61,1493.21 541.3,1468.52 598.68,1468.52 620.47,1490.32 620.47,1555.59 635.1,1570.22 734.38,1570.22 746.77,1557.83 746.77,1487.35 763.16,1466.85 839.01,1466.85 856.16,1484 856.16,1605.01 828.94,1632.23 538.02,1632.23
  region: 542.5,1635.5
  region net 12V_STEP: 1330.81,1299.63 1447.94,1182.5 1331.5,1182.5 1331.5,1197.5 1299.5,1229.5
  region net 12V_STEP: 1259.47,1412.64 1276.18,1432.5 1319.66,1432.5 1340.5,1412.64 1340.5,1223.56 1272.06,1223.56 1259.47,1238.35
  region: 1314.5,1329.5
  region net 12V_STEP: 1500.85,1176.61 1500.85,1108.83 1485.41,1090.8 1346.74,1090.8 1331.5,1106.04 1331.5,1191.5 1480.75,1191.5
  region net 12V_STEP: 1086.5,1159.19 1095.62,1169.48 1140.48,1169.48 1152.5,1157.45 1152.5,860.95 1138.46,839.74 1098.37,839.74 1086.5,860.95
  region net 12V: 153.5,2280 385.5,2280 385.5,2157 288.07,2157 252.07,2121 252.07,1491 232.24,1472.37 116.4,1472.37 104.07,1491 104.07,2232
Bottom Layer:
  region net GND: 439,2601 439,2583.28 387,2525.5 387,2497 371.5,2490 351,2499 351,2546 402.74,2597.74 418.46,2608 439,2606 439,2602
  region net 12V: 737,2611.5 748,2622.5 748,2676.5 736.94,2686 642.5,2686 632,2674 632,2622.5 637.5,2611.5 642.5,2611.5 650,2611.5
  region net 12V_STEP: 630.54,1346.84 630.54,1138.84 630.09,1138.39 640.58,1127.91 704.9,1127.91 715.02,1138.84 715.02,1144.22 715.02,1336.81 704.9,1351.87 643.78,1351.87 640.59,1348.67 631.01,1339.09
  region net 12V_STEP: 638.42,1556 638.42,1477.4 662.55,1453.27 870.69,1453.27 893.64,1476.22 940.42,1476.22 948.82,1484.61 948.81,1554.54 938.45,1564.9 865.05,1564.9 855.4,1555.25 855.4,1487.47 842.1,1476.22 839.16,1476.22 761.69,1476.22 743.98,1493.93 743.98,1555.78 732.01,1567.76 650.18,1567.76
  region net 12V_STEP: 1095.83,1117.79 1095.83,1093.19 1107.48,1079.95 1124.79,1076.79 1143.65,1087.32 1152.2,1111.11 1374.32,1111.11 1379.98,1097.23 1460.28,1096.96 1474.76,1108.38 1474.76,1130.14 1440.21,1154.01 1368.39,1154.01 1102.47,1154.01 1095.83,1145.34
  region: 1105.5,1157.5
  region net 12V: 162.99,1592.71 162.99,1492.92 180.24,1481.64 605.31,1481.64 611.45,1492.59 611.15,1602.83 605.31,1606.22 599.15,1608.68 184.65,1606.22

## Silkscreen, mask and mechanical layers (free items; w line width, h text height)
Top Overlay:
  text "5V" at 834.5,2538.5 h31.5
  text "5V_WIFI" at 943.5,2538.5 h31.5
  text "DWM_ / SWDIO" at 2968.44,2506.71 h31.5
  text "BLUE / _TX" at 2363.66,2432.18 h31.5
  text "G" at 2740.5,2382.5 h31.5
  text "12V" at 405.5,2195.5 h31.5
  text "DWM / _nRST" at 1066.5,2125.5 h31.5
  text "DWM / _BLE_WK" at 1282.5,2125.5 h31.5
  text "GND" at 403.5,2047.5 h31.5
  text "BTN" at 1091.5,1812.5 h31.5
  text "NRST" at 1313.5,1804.5 h31.5
  text "5V" at 388.5,1799.5 h31.5
  text "3V3_DWM" at 2947.5,1649.5 h31.5
  text "3V3 / _BLU" at 978.5,1633.5 h31.5
  text "3V3_MCU" at 1327.5,1616.5 h31.5
  text "G" at 2002.5,1574.5 h31.5
  text "G" at 2184.5,1571.5 h31.5
  text "BLU_KEY / _HCO5" at 2421.5,1512.5 h23.62
  text "SWDIO" at 1876.5,1486.5 h31.5
  text "3V3_MCU" at 2583.5,1432.5 h31.5
  text "12V" at 774.5,1395.5 h31.5
  text "12V" at 531.5,1391.5 h31.5
  text "5V" at 148.5,1359.5 h31.5
  text "BOOT1" at 2650.5,1335.5 h31.5
  text "5V" at 3661.5,1228.5 h31.5
  text "DWM_TX" at 2897.5,1079.5 h31.5
  text "GND" at 93.5,966.5 h31.5
  text "3V3_MC" at 2180.5,697.5 h31.5
  text "VCC_245" at 2184.5,575.5 h31.5
  text "5V" at 2198.5,465.5 h31.5
  text "MTR2_C1" at 241.5,359.5 h31.5
  text "MTR1_C1" at 938.5,356.5 h31.5
  text "3V3_MCU" at 1583.5,354.5 h31.5
  text "3V3_MCU" at 2269.5,345.5 h31.5
  text "G" at 3375.5,236.5 h31.5
  text "3V3 / _RF" at 3120.5,209.5 h31.5
  text "3V3 / _RF" at 2906.5,206.5 h31.5

## Text inside footprints (layer, text, board x,y; h text height)
CR1: Top Overlay "*" at 2057,1316.61 h31.5
S6: Top Overlay "3" at 1897.4,519.76 h31.5; Top Overlay "ON" at 1680.47,700.87 h31.5; Top Overlay "1" at 1702.91,519.76 h31.5; Top Overlay "2" at 1797.4,519.76 h31.5; Mechanical 13 "3" at 1897.4,519.76 h31.5; Mechanical 13 "1" at 1702.91,519.76 h31.5; Mechanical 13 "ON" at 1680.47,700.87 h31.5; Mechanical 13 "2" at 1797.4,519.76 h31.5
S7: Top Overlay "3" at 1507.44,519.59 h31.5; Top Overlay "ON" at 1290.51,700.69 h31.5; Top Overlay "1" at 1312.95,519.59 h31.5; Top Overlay "2" at 1407.44,519.59 h31.5; Mechanical 13 "3" at 1507.44,519.59 h31.5; Mechanical 13 "1" at 1312.95,519.59 h31.5; Mechanical 13 "ON" at 1290.51,700.69 h31.5; Mechanical 13 "2" at 1407.44,519.59 h31.5
U2: Bottom Overlay "*" at 2591.5,905 h31.5 r90
U5: Bottom Overlay "*" at 1237.5,1264.5 h31.5 r90
U9: Top Overlay "*" at 3624.5,2355.6 h31.5 r180